# KiCad board EOutside.kicad_pcb (continued)
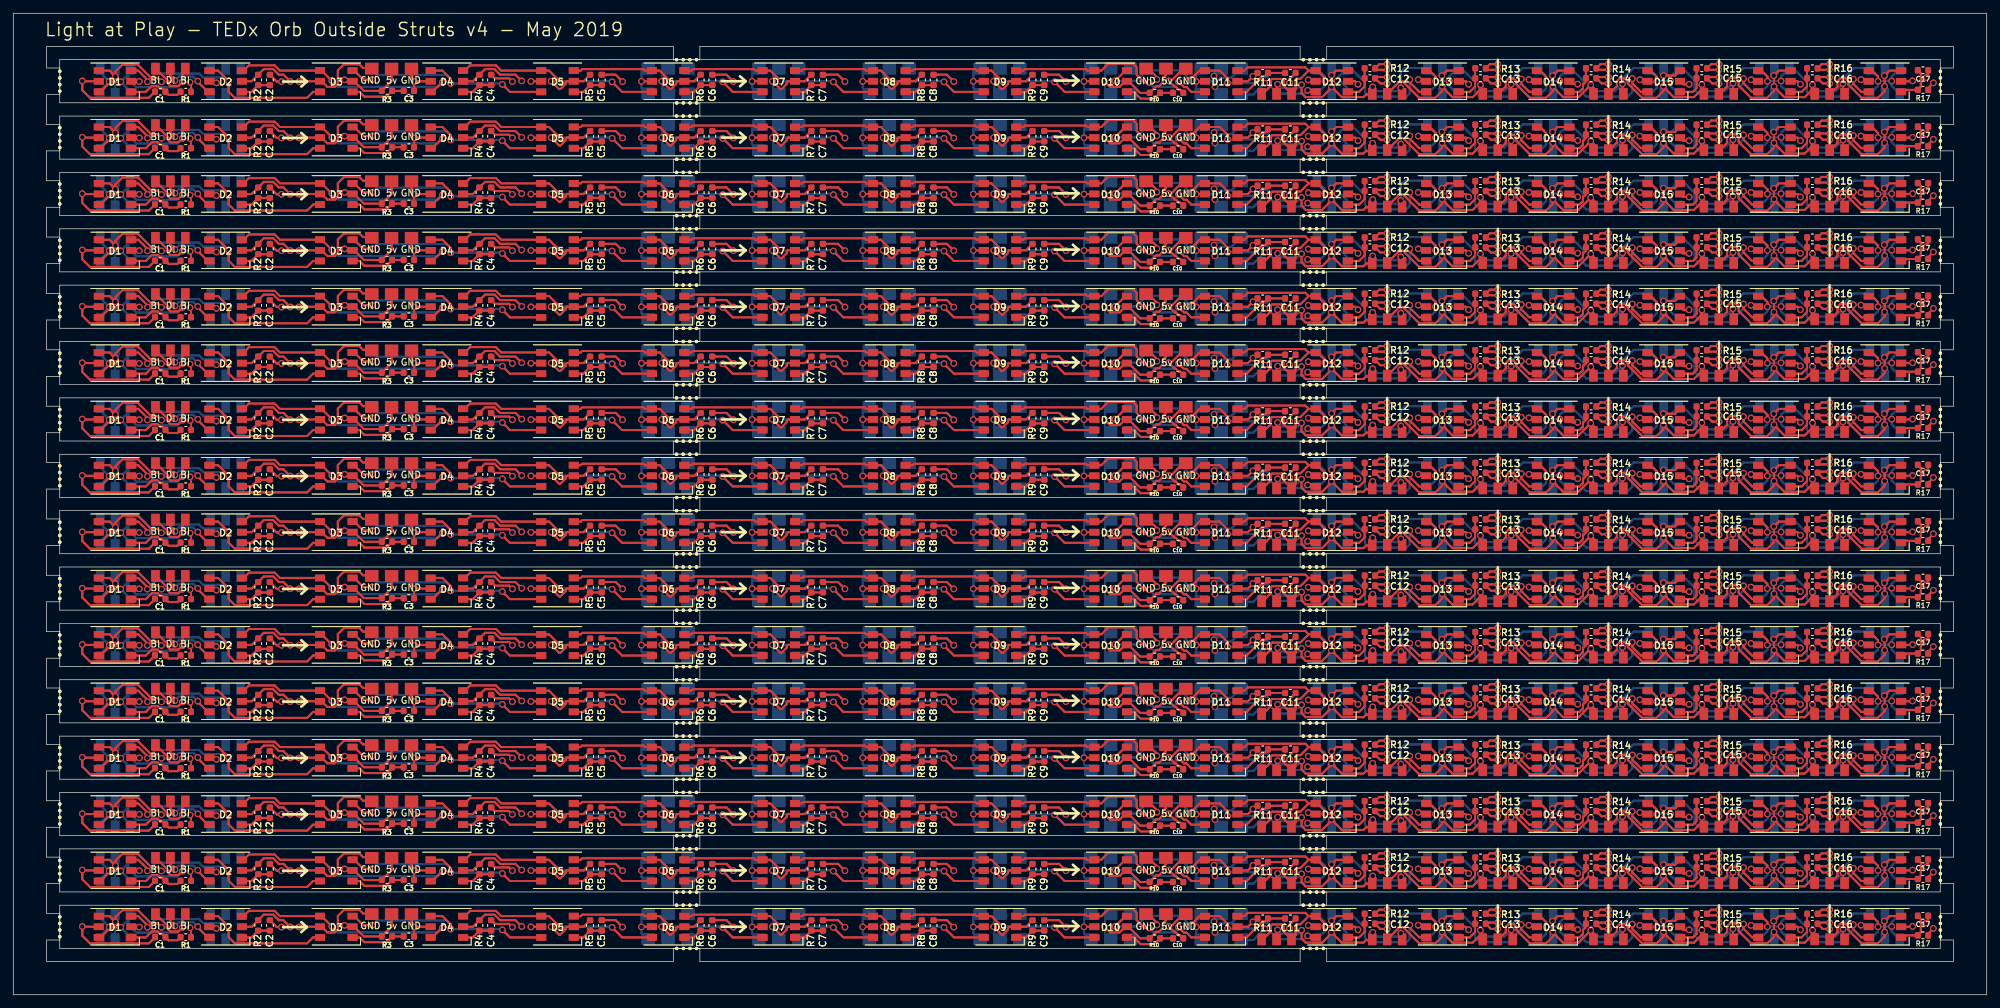
[diagram p0: board, top side]
## Routing (per net, layer and track width the routed paths; a pad name or vN(x,y) marks a point on that pad's centre or on a via; arc(x,y) is an arc through that point) (continued)
  Bottom w0.3: 27.3,129.78 v1(27.8,129.28) 27.3,129.78 ; 27.3,129.78 27.12,129.95 ; 27.3,129.78 27.12,129.95 ; 24.15,129.16 v1(22.33,129.16) 24.15,129.16 ; 24.15,129.16 v1(24.35,129.37) ; 24.15,129.16 v1(24.35,129.37) ; 24.94,129.95 27.12,129.95 ; 24.94,129.95 v1(24.35,129.37) ; 24.94,129.95 27.12,129.95 ; 24.94,129.95 v1(24.35,129.37) ; 15.33,127.38 15.33,131.5 15.33,127.38 ; 15.33,127.38 15.33,127 15.33,127.38 ; 15.39,129.19 15.35,129.15 15.39,129.19 ; 15.39,129.19 15.39,129.27 ; 15.39,129.19 15.39,129.27 ; 15.39,129.27 v1(15.39,129.98) 15.39,129.27 ; 27.3,121.28 v1(27.8,120.78) 27.3,121.28 ; 27.3,121.28 27.12,121.45 ; 27.3,121.28 27.12,121.45 ; 24.15,120.66 v1(22.33,120.66) 24.15,120.66 ; 24.15,120.66 v1(24.35,120.87) ; 24.15,120.66 v1(24.35,120.87) ; 24.94,121.45 27.12,121.45 ; 24.94,121.45 v1(24.35,120.87) ; 24.94,121.45 v1(24.35,120.87) ; 24.94,121.45 27.12,121.45 ; 15.33,118.88 15.33,123 15.33,118.88 ; 15.33,118.88 15.33,118.5 15.33,118.88 ; 15.39,120.69 15.35,120.65 15.39,120.69 ; 15.39,120.69 15.39,120.77 ; 15.39,120.69 15.39,120.77 ; 15.39,120.77 v1(15.39,121.48) 15.39,120.77 ; 27.3,112.78 v1(27.8,112.28) 27.3,112.78 ; 27.3,112.78 27.12,112.95 ; 27.3,112.78 27.12,112.95 ; 24.15,112.16 v1(22.33,112.16) 24.15,112.16 ; 24.15,112.16 v1(24.35,112.37) ; 24.15,112.16 v1(24.35,112.37) ; 24.94,112.95 27.12,112.95 ; 24.94,112.95 v1(24.35,112.37) ; 24.94,112.95 v1(24.35,112.37) ; 24.94,112.95 27.12,112.95 ; 15.33,110.38 15.33,114.5 15.33,110.38 ; 15.33,110.38 15.33,110 15.33,110.38 ; 15.39,112.19 15.35,112.15 15.39,112.19 ; 15.39,112.19 15.39,112.27 ; 15.39,112.19 15.39,112.27 ; 15.39,112.27 v1(15.39,112.98) 15.39,112.27 ; 27.3,138.28 v1(27.8,137.78) 27.3,138.28 ; 27.3,138.28 27.12,138.45 ; 27.3,138.28 27.12,138.45 ; 24.15,137.66 v1(22.33,137.66) 24.15,137.66 ; 24.15,137.66 v1(24.35,137.87) ; 24.15,137.66 v1(24.35,137.87) ; 24.94,138.45 27.12,138.45 ; 24.94,138.45 v1(24.35,137.87) ; 24.94,138.45 v1(24.35,137.87) ; 24.94,138.45 27.12,138.45 ; 15.33,135.88 15.33,140 15.33,135.88 ; 15.33,135.88 15.33,135.5 15.33,135.88 ; 15.39,137.69 15.35,137.65 15.39,137.69 ; 15.39,137.69 15.39,137.77 ; 15.39,137.69 15.39,137.77 ; 15.39,137.77 v1(15.39,138.48) 15.39,137.77 ; 27.3,104.28 v1(27.8,103.78) 27.3,104.28 ; 27.3,104.28 27.12,104.45 ; 27.3,104.28 27.12,104.45 ; 24.15,103.66 v1(22.33,103.66) 24.15,103.66 ; 24.15,103.66 v1(24.35,103.87) ; 24.15,103.66 v1(24.35,103.87) ; 24.94,104.45 27.12,104.45 ; 24.94,104.45 v1(24.35,103.87) ; 24.94,104.45 v1(24.35,103.87) ; 24.94,104.45 27.12,104.45 ; 15.33,101.88 15.33,106 15.33,101.88 ; 15.33,101.88 15.33,101.5 15.33,101.88 ; 15.39,103.69 15.35,103.65 15.39,103.69 ; 15.39,103.69 15.39,103.77 ; 15.39,103.69 15.39,103.77 ; 15.39,103.77 v1(15.39,104.48) 15.39,103.77 ; 27.3,95.78 v1(27.8,95.28) 27.3,95.78 ; 27.3,95.78 27.12,95.95 ; 27.3,95.78 27.12,95.95 ; 24.15,95.16 v1(22.33,95.16) 24.15,95.16 ; 24.15,95.16 v1(24.35,95.37) ; 24.15,95.16 v1(24.35,95.37) ; 24.94,95.95 27.12,95.95 ; 24.94,95.95 v1(24.35,95.37) ; 24.94,95.95 v1(24.35,95.37) ; 24.94,95.95 27.12,95.95 ; 15.33,93.38 15.33,97.5 15.33,93.38 ; 15.33,93.38 15.33,93 15.33,93.38 ; 15.39,95.19 15.35,95.15 15.39,95.19 ; 15.39,95.19 15.39,95.27 ; 15.39,95.19 15.39,95.27 ; 15.39,95.27 v1(15.39,95.98) 15.39,95.27 ; 24.15,78.16 v1(24.35,78.37) ; 24.15,78.16 v1(22.33,78.16) 24.15,78.16 ; 24.15,78.16 v1(24.35,78.37) ; v1(24.35,78.37) 24.94,78.95 ; v1(24.35,78.37) 24.94,78.95 ; 15.39,78.27 v1(15.39,78.98) 15.39,78.27 ; 15.39,78.27 15.39,78.19 ; 15.39,78.27 15.39,78.19 ; 15.39,78.19 15.35,78.15 15.39,78.19 ; 24.94,78.95 27.12,78.95 ; 24.94,78.95 27.12,78.95 ; 15.33,76.38 15.33,80.5 15.33,76.38 ; 15.33,76.38 15.33,76 15.33,76.38 ; 27.12,78.95 27.3,78.78 ; 27.12,78.95 27.3,78.78 ; 27.3,78.78 v1(27.8,78.28) 27.3,78.78 ; 15.39,86.77 v1(15.39,87.48) 15.39,86.77 ; 15.39,86.77 15.39,86.69 ; 15.39,86.77 15.39,86.69 ; 15.39,86.69 15.35,86.65 15.39,86.69 ; 24.15,86.66 v1(24.35,86.87) ; 24.15,86.66 v1(22.33,86.66) 24.15,86.66 ; 24.15,86.66 v1(24.35,86.87) ; v1(24.35,86.87) 24.94,87.45 ; v1(24.35,86.87) 24.94,87.45 ; 24.94,87.45 27.12,87.45 ; 24.94,87.45 27.12,87.45 ; 15.33,84.88 15.33,89 15.33,84.88 ; 15.33,84.88 15.33,84.5 15.33,84.88 ; 27.3,87.28 v1(27.8,86.78) 27.3,87.28 ; 27.3,87.28 27.12,87.45 ; 27.3,87.28 27.12,87.45 ; 27.3,70.28 v1(27.8,69.78) 27.3,70.28 ; 27.3,70.28 27.12,70.45 ; 27.3,70.28 27.12,70.45 ; 24.15,69.66 v1(22.33,69.66) 24.15,69.66 ; 24.15,69.66 v1(24.35,69.87) ; 24.15,69.66 v1(24.35,69.87) ; 24.94,70.45 27.12,70.45 ; 24.94,70.45 v1(24.35,69.87) ; 24.94,70.45 v1(24.35,69.87) ; 24.94,70.45 27.12,70.45 ; 15.33,67.88 15.33,72 15.33,67.88 ; 15.33,67.88 15.33,67.5 15.33,67.88 ; 15.39,69.69 15.35,69.65 15.39,69.69 ; 15.39,69.69 15.39,69.77 ; 15.39,69.69 15.39,69.77 ; 15.39,69.77 v1(15.39,70.48) 15.39,69.77 ; 27.3,61.78 v1(27.8,61.28) 27.3,61.78 ; 27.3,61.78 27.12,61.95 ; 27.3,61.78 27.12,61.95 ; 24.15,61.16 v1(22.33,61.16) 24.15,61.16 ; 24.15,61.16 v1(24.35,61.37) ; 24.15,61.16 v1(24.35,61.37) ; 24.94,61.95 27.12,61.95 ; 24.94,61.95 v1(24.35,61.37) ; 24.94,61.95 v1(24.35,61.37) ; 24.94,61.95 27.12,61.95 ; 15.33,59.38 15.33,63.5 15.33,59.38 ; 15.33,59.38 15.33,59 15.33,59.38 ; 15.39,61.19 15.35,61.15 15.39,61.19 ; 15.39,61.19 15.39,61.27 ; 15.39,61.19 15.39,61.27 ; 15.39,61.27 v1(15.39,61.98) 15.39,61.27 ; 27.3,44.78 v1(27.8,44.28) 27.3,44.78 ; 27.3,44.78 27.12,44.95 ; 27.3,44.78 27.12,44.95 ; 24.15,44.16 v1(22.33,44.16) 24.15,44.16 ; 24.15,44.16 v1(24.35,44.37) ; 24.15,44.16 v1(24.35,44.37) ; 24.94,44.95 27.12,44.95 ; 24.94,44.95 27.12,44.95 ; 24.94,44.95 v1(24.35,44.37) ; 24.94,44.95 v1(24.35,44.37) ; 15.33,42.38 15.33,46.5 15.33,42.38 ; 15.33,42.38 15.33,42 15.33,42.38 ; 15.39,44.19 15.35,44.15 15.39,44.19 ; 15.39,44.19 15.39,44.27 ; 15.39,44.19 15.39,44.27 ; 15.39,52.77 v1(15.39,53.48) 15.39,52.77 ; 15.39,52.77 15.39,52.69 ; 15.39,52.77 15.39,52.69 ; 15.39,52.69 15.35,52.65 15.39,52.69 ; 24.15,52.66 v1(24.35,52.87) ; 24.15,52.66 v1(22.33,52.66) 24.15,52.66 ; 24.15,52.66 v1(24.35,52.87) ; v1(24.35,52.87) 24.94,53.45 ; v1(24.35,52.87) 24.94,53.45 ; 24.94,53.45 27.12,53.45 ; 24.94,53.45 27.12,53.45 ; 15.33,50.88 15.33,55 15.33,50.88 ; 15.33,50.88 15.33,50.5 15.33,50.88 ; 27.3,53.28 v1(27.8,52.78) 27.3,53.28 ; 27.3,53.28 27.12,53.45 ; 27.3,53.28 27.12,53.45 ; 15.39,44.27 v1(15.39,44.98) 15.39,44.27 ; 24.15,27.16 v1(24.35,27.37) ; 24.15,27.16 v1(22.33,27.16) 24.15,27.16 ; 24.15,27.16 v1(24.35,27.37) ; v1(24.35,27.37) 24.94,27.95 ; v1(24.35,27.37) 24.94,27.95 ; 15.39,27.19 15.39,27.27 ; 15.39,27.19 15.35,27.15 15.39,27.19 ; 15.39,27.19 15.39,27.27 ; 15.39,27.27 v1(15.39,27.98) 15.39,27.27 ; 27.12,19.45 27.3,19.28 ; 27.12,19.45 24.94,19.45 ; 27.12,19.45 24.94,19.45 ; 27.12,19.45 27.3,19.28 ; 27.3,19.28 v1(27.8,18.78) 27.3,19.28 ; 24.15,18.66 v1(22.33,18.66) 24.15,18.66 ; 24.15,18.66 v1(24.35,18.87) ; 24.15,18.66 v1(24.35,18.87) ; 24.94,19.45 v1(24.35,18.87) ; 24.94,19.45 v1(24.35,18.87) ; 15.33,16.88 15.33,21 15.33,16.88 ; 15.33,16.88 15.33,16.5 15.33,16.88 ; 15.39,18.69 15.35,18.65 15.39,18.69 ; 15.39,18.69 15.39,18.77 ; 15.39,18.69 15.39,18.77 ; 15.39,18.77 v1(15.39,19.48) 15.39,18.77 ; 24.15,35.66 v1(22.33,35.66) 24.15,35.66 ; 24.15,35.66 v1(24.35,35.87) ; 24.15,35.66 v1(24.35,35.87) ; 24.94,36.45 27.12,36.45 ; 24.94,36.45 27.12,36.45 ; 24.94,36.45 v1(24.35,35.87) ; 24.94,36.45 v1(24.35,35.87) ; 27.12,36.45 27.3,36.28 ; 27.12,36.45 27.3,36.28 ; 27.3,36.28 v1(27.8,35.78) 27.3,36.28 ; 15.39,10.19 15.35,10.15 15.39,10.19 ; 15.39,10.19 15.39,10.27 ; 15.39,10.19 15.39,10.27 ; 15.33,8.38 15.33,8 15.33,8.38 ; 15.33,8.38 15.33,12.5 15.33,8.38 ; 27.12,10.95 27.3,10.78 ; 27.12,10.95 24.94,10.95 ; 27.12,10.95 27.3,10.78 ; 27.12,10.95 24.94,10.95 ; 27.3,10.78 v1(27.8,10.28) 27.3,10.78 ; 15.39,10.27 v1(15.39,10.98) 15.39,10.27 ; 24.15,10.16 v1(24.35,10.37) ; 24.15,10.16 v1(24.35,10.37) ; 24.15,10.16 v1(22.33,10.16) 24.15,10.16 ; v1(24.35,10.37) 24.94,10.95 ; v1(24.35,10.37) 24.94,10.95 ; 15.33,33.88 15.33,38 15.33,33.88 ; 15.33,33.88 15.33,33.5 15.33,33.88 ; 15.39,35.69 15.35,35.65 15.39,35.69 ; 15.39,35.69 15.39,35.77 ; 15.39,35.69 15.39,35.77 ; 15.39,35.77 v1(15.39,36.48) 15.39,35.77 ; 27.3,27.78 v1(27.8,27.28) 27.3,27.78 ; 27.3,27.78 27.12,27.95 ; 27.3,27.78 27.12,27.95 ; 24.94,27.95 27.12,27.95 ; 24.94,27.95 27.12,27.95 ; 15.33,25.38 15.33,29.5 15.33,25.38 ; 15.33,25.38 15.33,25 15.33,25.38 ; 15.33,131.25 15.33,130.2 15.33,131.25 ; 15.33,122.75 15.33,121.7 15.33,122.75 ; 15.33,114.25 15.33,113.2 15.33,114.25 ; 15.33,139.75 15.33,138.7 15.33,139.75 ; 15.33,105.75 15.33,104.7 15.33,105.75 ; 15.33,97.25 15.33,96.2 15.33,97.25 ; 15.33,80.25 15.33,79.2 15.33,80.25 ; 15.33,88.75 15.33,87.7 15.33,88.75 ; 15.33,71.75 15.33,70.7 15.33,71.75 ; 15.33,63.25 15.33,62.2 15.33,63.25 ; 15.33,46.25 15.33,45.2 15.33,46.25 ; 15.33,54.75 15.33,53.7 15.33,54.75 ; 15.33,20.75 15.33,19.7 15.33,20.75 ; 15.33,12.25 15.33,11.2 15.33,12.25 ; 15.33,37.75 15.33,36.7 15.33,37.75 ; 15.33,29.25 15.33,28.2 15.33,29.25
Net-(D1-Pad6): length 1059.5
  Top w0.3: 14.45,128.97 v1(14.45,129.2) ; 14.45,128.97 13.13,127.65 ; 14.45,128.97 v1(14.45,129.2) ; 14.45,128.97 13.13,127.65 ; v1(14.45,129.2) 14.48,129.17 ; v1(14.45,129.2) 14.48,129.17 ; 14.48,129.17 v1(16.2,129.17) 14.48,129.17 ; 13.13,127.65 D1#2.6 13.13,127.65 ; 21.67,130.96 23.39,129.24 ; 21.67,130.96 21.67,131.25 21.67,130.96 ; 21.67,130.96 23.39,129.24 ; 23.39,129.24 23.39,128.84 ; 23.39,129.24 23.39,128.84 ; 25.48,131.07 25.67,131.25 25.48,131.07 ; 25.48,131.07 25.48,129.86 ; 25.48,131.07 25.48,129.86 ; 25.48,129.86 v1(25.48,129.15) ; 25.48,129.86 v1(25.48,129.15) ; 23.39,128.84 23.68,128.55 ; 23.39,128.84 23.68,128.55 ; 23.68,128.55 24.88,128.55 ; 23.68,128.55 24.88,128.55 ; v1(25.48,129.15) 24.98,128.65 ; v1(25.48,129.15) 24.98,128.65 ; 24.88,128.55 24.98,128.65 ; 24.88,128.55 24.98,128.65 ; 14.45,120.47 v1(14.45,120.7) ; 14.45,120.47 13.13,119.15 ; 14.45,120.47 v1(14.45,120.7) ; 14.45,120.47 13.13,119.15 ; v1(14.45,120.7) 14.48,120.67 ; v1(14.45,120.7) 14.48,120.67 ; 14.48,120.67 v1(16.2,120.67) 14.48,120.67 ; 13.13,119.15 D1#4.6 13.13,119.15 ; 21.67,122.46 23.39,120.74 ; 21.67,122.46 21.67,122.75 21.67,122.46 ; 21.67,122.46 23.39,120.74 ; 23.39,120.74 23.39,120.34 ; 23.39,120.74 23.39,120.34 ; 25.48,122.57 25.67,122.75 25.48,122.57 ; 25.48,122.57 25.48,121.36 ; 25.48,122.57 25.48,121.36 ; 25.48,121.36 v1(25.48,120.65) ; 25.48,121.36 v1(25.48,120.65) ; 23.39,120.34 23.68,120.05 ; 23.39,120.34 23.68,120.05 ; 23.68,120.05 24.88,120.05 ; 23.68,120.05 24.88,120.05 ; v1(25.48,120.65) 24.98,120.15 ; v1(25.48,120.65) 24.98,120.15 ; 24.88,120.05 24.98,120.15 ; 24.88,120.05 24.98,120.15 ; 14.45,111.97 v1(14.45,112.2) ; 14.45,111.97 13.13,110.65 ; 14.45,111.97 v1(14.45,112.2) ; 14.45,111.97 13.13,110.65 ; v1(14.45,112.2) 14.48,112.17 ; v1(14.45,112.2) 14.48,112.17 ; 23.39,112.24 23.39,111.84 ; 23.39,112.24 21.67,113.96 ; 23.39,112.24 23.39,111.84 ; 23.39,112.24 21.67,113.96 ; 23.39,111.84 23.68,111.55 ; 23.39,111.84 23.68,111.55 ; 24.88,111.55 24.98,111.65 ; 24.88,111.55 23.68,111.55 ; 24.88,111.55 24.98,111.65 ; 24.88,111.55 23.68,111.55 ; 24.98,111.65 v1(25.48,112.15) ; 24.98,111.65 v1(25.48,112.15) ; v1(25.48,112.15) 25.48,112.86 ; v1(25.48,112.15) 25.48,112.86 ; 25.48,112.86 25.48,114.07 ; 25.48,112.86 25.48,114.07 ; 25.48,114.07 25.67,114.25 25.48,114.07 ; 21.67,113.96 21.67,114.25 21.67,113.96 ; 13.13,110.65 D1#3.6 13.13,110.65 ; 14.48,112.17 v1(16.2,112.17) 14.48,112.17 ; 14.45,137.47 v1(14.45,137.7) ; 14.45,137.47 13.13,136.15 ; 14.45,137.47 v1(14.45,137.7) ; 14.45,137.47 13.13,136.15 ; v1(14.45,137.7) 14.48,137.67 ; v1(14.45,137.7) 14.48,137.67 ; 14.48,137.67 v1(16.2,137.67) 14.48,137.67 ; 13.13,136.15 D1.6 13.13,136.15 ; 21.67,139.46 23.39,137.74 ; 21.67,139.46 21.67,139.75 21.67,139.46 ; 21.67,139.46 23.39,137.74 ; 23.39,137.74 23.39,137.34 ; 23.39,137.74 23.39,137.34 ; 25.48,139.57 25.67,139.75 25.48,139.57 ; 25.48,139.57 25.48,138.36 ; 25.48,139.57 25.48,138.36 ; 25.48,138.36 v1(25.48,137.65) ; 25.48,138.36 v1(25.48,137.65) ; 23.39,137.34 23.68,137.05 ; 23.39,137.34 23.68,137.05 ; 23.68,137.05 24.88,137.05 ; 23.68,137.05 24.88,137.05 ; v1(25.48,137.65) 24.98,137.15 ; v1(25.48,137.65) 24.98,137.15 ; 24.88,137.05 24.98,137.15 ; 24.88,137.05 24.98,137.15 ; 14.45,103.47 v1(14.45,103.7) ; 14.45,103.47 13.13,102.15 ; 14.45,103.47 v1(14.45,103.7) ; 14.45,103.47 13.13,102.15 ; v1(14.45,103.7) 14.48,103.67 ; v1(14.45,103.7) 14.48,103.67 ; 14.48,103.67 v1(16.2,103.67) 14.48,103.67 ; 13.13,102.15 D1#14.6 13.13,102.15 ; 21.67,105.46 23.39,103.74 ; 21.67,105.46 21.67,105.75 21.67,105.46 ; 21.67,105.46 23.39,103.74 ; 23.39,103.74 23.39,103.34 ; 23.39,103.74 23.39,103.34 ; 25.48,105.57 25.67,105.75 25.48,105.57 ; 25.48,105.57 25.48,104.36 ; 25.48,105.57 25.48,104.36 ; 25.48,104.36 v1(25.48,103.65) ; 25.48,104.36 v1(25.48,103.65) ; 23.39,103.34 23.68,103.05 ; 23.39,103.34 23.68,103.05 ; 23.68,103.05 24.88,103.05 ; 23.68,103.05 24.88,103.05 ; v1(25.48,103.65) 24.98,103.15 ; v1(25.48,103.65) 24.98,103.15 ; 24.88,103.05 24.98,103.15 ; 24.88,103.05 24.98,103.15 ; 14.45,94.97 v1(14.45,95.2) ; 14.45,94.97 13.13,93.65 ; 14.45,94.97 13.13,93.65 ; 14.45,94.97 v1(14.45,95.2) ; v1(14.45,95.2) 14.48,95.17 ; v1(14.45,95.2) 14.48,95.17 ; 23.39,95.24 23.39,94.84 ; 23.39,95.24 21.67,96.96 ; 23.39,95.24 23.39,94.84 ; 23.39,95.24 21.67,96.96 ; 23.39,94.84 23.68,94.55 ; 23.39,94.84 23.68,94.55 ; 24.88,94.55 24.98,94.65 ; 24.88,94.55 23.68,94.55 ; 24.88,94.55 24.98,94.65 ; 24.88,94.55 23.68,94.55 ; 24.98,94.65 v1(25.48,95.15) ; 24.98,94.65 v1(25.48,95.15) ; v1(25.48,95.15) 25.48,95.86 ; v1(25.48,95.15) 25.48,95.86 ; 25.48,95.86 25.48,97.07 ; 25.48,95.86 25.48,97.07 ; 25.48,97.07 25.67,97.25 25.48,97.07 ; 21.67,96.96 21.67,97.25 21.67,96.96 ; 13.13,93.65 D1#11.6 13.13,93.65 ; 14.48,95.17 v1(16.2,95.17) 14.48,95.17 ; 14.45,77.97 v1(14.45,78.2) ; 14.45,77.97 13.13,76.65 ; 14.45,77.97 v1(14.45,78.2) ; 14.45,77.97 13.13,76.65 ; v1(14.45,78.2) 14.48,78.17 ; v1(14.45,78.2) 14.48,78.17 ; 23.39,78.24 23.39,77.84 ; 23.39,78.24 21.67,79.96 ; 23.39,78.24 23.39,77.84 ; 23.39,78.24 21.67,79.96 ; 23.39,77.84 23.68,77.55 ; 23.39,77.84 23.68,77.55 ; 24.88,77.55 24.98,77.65 ; 24.88,77.55 23.68,77.55 ; 24.88,77.55 24.98,77.65 ; 24.88,77.55 23.68,77.55 ; 24.98,77.65 v1(25.48,78.15) ; 24.98,77.65 v1(25.48,78.15) ; v1(25.48,78.15) 25.48,78.86 ; v1(25.48,78.15) 25.48,78.86 ; 25.48,78.86 25.48,80.07 ; 25.48,78.86 25.48,80.07 ; 25.48,80.07 25.67,80.25 25.48,80.07 ; 21.67,79.96 21.67,80.25 21.67,79.96 ; 13.13,76.65 D1#9.6 13.13,76.65 ; 14.48,78.17 v1(16.2,78.17) 14.48,78.17 ; 14.45,86.47 v1(14.45,86.7) ; 14.45,86.47 13.13,85.15 ; 14.45,86.47 v1(14.45,86.7) ; 14.45,86.47 13.13,85.15 ; v1(14.45,86.7) 14.48,86.67 ; v1(14.45,86.7) 14.48,86.67 ; 14.48,86.67 v1(16.2,86.67) 14.48,86.67 ; 13.13,85.15 D1#10.6 13.13,85.15 ; 21.67,88.46 23.39,86.74 ; 21.67,88.46 21.67,88.75 21.67,88.46 ; 21.67,88.46 23.39,86.74 ; 23.39,86.74 23.39,86.34 ; 23.39,86.74 23.39,86.34 ; 25.48,88.57 25.67,88.75 25.48,88.57 ; 25.48,88.57 25.48,87.36 ; 25.48,88.57 25.48,87.36 ; 25.48,87.36 v1(25.48,86.65) ; 25.48,87.36 v1(25.48,86.65) ; 23.39,86.34 23.68,86.05 ; 23.39,86.34 23.68,86.05 ; 23.68,86.05 24.88,86.05 ; 23.68,86.05 24.88,86.05 ; v1(25.48,86.65) 24.98,86.15 ; v1(25.48,86.65) 24.98,86.15 ; 24.88,86.05 24.98,86.15 ; 24.88,86.05 24.98,86.15 ; 23.39,52.74 23.39,52.34 ; 23.39,52.74 21.67,54.46 ; 23.39,52.74 21.67,54.46 ; 23.39,52.74 23.39,52.34 ; 23.39,52.34 23.68,52.05 ; 23.39,52.34 23.68,52.05 ; 24.88,52.05 24.98,52.15 ; 24.88,52.05 23.68,52.05 ; 24.88,52.05 23.68,52.05 ; 24.88,52.05 24.98,52.15 ; 24.98,52.15 v1(25.48,52.65) ; 24.98,52.15 v1(25.48,52.65) ; v1(25.48,52.65) 25.48,53.36 ; v1(25.48,52.65) 25.48,53.36 ; 25.48,53.36 25.48,54.57 ; 25.48,53.36 25.48,54.57 ; 14.45,60.97 v1(14.45,61.2) ; 14.45,60.97 13.13,59.65 ; 14.45,60.97 13.13,59.65 ; 14.45,60.97 v1(14.45,61.2) ; v1(14.45,61.2) 14.48,61.17 ; v1(14.45,61.2) 14.48,61.17 ; 23.39,61.24 23.39,60.84 ; 23.39,61.24 21.67,62.96 ; 23.39,61.24 23.39,60.84 ; 23.39,61.24 21.67,62.96 ; 23.39,60.84 23.68,60.55 ; 23.39,60.84 23.68,60.55 ; 24.88,60.55 24.98,60.65 ; 24.88,60.55 23.68,60.55 ; 24.88,60.55 24.98,60.65 ; 24.88,60.55 23.68,60.55 ; 24.98,60.65 v1(25.48,61.15) ; 24.98,60.65 v1(25.48,61.15) ; v1(25.48,61.15) 25.48,61.86 ; v1(25.48,61.15) 25.48,61.86 ; 25.48,61.86 25.48,63.07 ; 25.48,61.86 25.48,63.07 ; 25.48,63.07 25.67,63.25 25.48,63.07 ; 21.67,62.96 21.67,63.25 21.67,62.96 ; 13.13,59.65 D1#17.6 13.13,59.65 ; 14.48,61.17 v1(16.2,61.17) 14.48,61.17 ; 23.68,69.05 24.88,69.05 ; 23.68,69.05 23.39,69.34 ; 23.68,69.05 23.39,69.34 ; 23.68,69.05 24.88,69.05 ; 24.88,69.05 24.98,69.15 ; 24.88,69.05 24.98,69.15 ; 14.48,69.67 v1(14.45,69.7) ; 14.48,69.67 v1(16.2,69.67) 14.48,69.67 ; 14.48,69.67 v1(14.45,69.7) ; v1(14.45,69.7) 14.45,69.47 ; v1(14.45,69.7) 14.45,69.47 ; 24.98,69.15 v1(25.48,69.65) ; 24.98,69.15 v1(25.48,69.65) ; 14.45,69.47 13.13,68.15 ; 14.45,69.47 13.13,68.15 ; 13.13,68.15 D1#20.6 13.13,68.15 ; 23.39,69.34 23.39,69.74 ; 23.39,69.34 23.39,69.74 ; 25.48,70.36 v1(25.48,69.65) ; 25.48,70.36 25.48,71.57 ; 25.48,70.36 25.48,71.57 ; 25.48,70.36 v1(25.48,69.65) ; 21.67,71.46 23.39,69.74 ; 21.67,71.46 21.67,71.75 21.67,71.46 ; 21.67,71.46 23.39,69.74 ; 25.48,71.57 25.67,71.75 25.48,71.57 ; 14.45,43.97 v1(14.45,44.2) ; 14.45,43.97 13.13,42.65 ; 14.45,43.97 v1(14.45,44.2) ; 14.45,43.97 13.13,42.65 ; v1(14.45,44.2) 14.48,44.17 ; v1(14.45,44.2) 14.48,44.17 ; 23.39,44.24 23.39,43.84 ; 23.39,44.24 21.67,45.96 ; 23.39,44.24 23.39,43.84 ; 23.39,44.24 21.67,45.96 ; 23.39,43.84 23.68,43.55 ; 23.39,43.84 23.68,43.55 ; 24.88,43.55 24.98,43.65 ; 24.88,43.55 23.68,43.55 ; 24.88,43.55 24.98,43.65 ; 24.88,43.55 23.68,43.55 ; 24.98,43.65 v1(25.48,44.15) ; 24.98,43.65 v1(25.48,44.15) ; v1(25.48,44.15) 25.48,44.86 ; v1(25.48,44.15) 25.48,44.86 ; 25.48,44.86 25.48,46.07 ; 25.48,44.86 25.48,46.07 ; 25.48,46.07 25.67,46.25 25.48,46.07 ; 21.67,45.96 21.67,46.25 21.67,45.96 ; 13.13,42.65 D1#18.6 13.13,42.65 ; 14.48,44.17 v1(16.2,44.17) 14.48,44.17 ; 14.45,52.47 v1(14.45,52.7) ; 14.45,52.47 13.13,51.15 ; 14.45,52.47 v1(14.45,52.7) ; 14.45,52.47 13.13,51.15 ; v1(14.45,52.7) 14.48,52.67 ; v1(14.45,52.7) 14.48,52.67 ; 14.48,52.67 v1(16.2,52.67) 14.48,52.67 ; 13.13,51.15 D1#22.6 13.13,51.15 ; 21.67,54.46 21.67,54.75 21.67,54.46 ; 25.48,54.57 25.67,54.75 25.48,54.57 ; 14.45,18.47 v1(14.45,18.7) ; 14.45,18.47 13.13,17.15 ; 14.45,18.47 v1(14.45,18.7) ; 14.45,18.47 13.13,17.15 ; v1(14.45,18.7) 14.48,18.67 ; v1(14.45,18.7) 14.48,18.67 ; 14.48,18.67 v1(16.2,18.67) 14.48,18.67 ; 13.13,17.15 D1#28.6 13.13,17.15 ; 21.67,20.46 23.39,18.74 ; 21.67,20.46 21.67,20.75 21.67,20.46 ; 21.67,20.46 23.39,18.74 ; 23.39,18.74 23.39,18.34 ; 23.39,18.74 23.39,18.34 ; 25.48,20.57 25.67,20.75 25.48,20.57 ; 25.48,20.57 25.48,19.36 ; 25.48,20.57 25.48,19.36 ; 25.48,19.36 v1(25.48,18.65) ; 25.48,19.36 v1(25.48,18.65) ; 23.39,10.24 23.39,9.84 ; 23.39,10.24 21.67,11.96 ; 23.39,10.24 23.39,9.84 ; 23.39,10.24 21.67,11.96 ; 23.39,9.84 23.68,9.55 ; 23.39,9.84 23.68,9.55 ; 24.88,9.55 24.98,9.65 ; 24.88,9.55 23.68,9.55 ; 24.88,9.55 24.98,9.65 ; 24.88,9.55 23.68,9.55 ; 24.98,9.65 v1(25.48,10.15) ; 24.98,9.65 v1(25.48,10.15) ; v1(25.48,10.15) 25.48,10.86 ; v1(25.48,10.15) 25.48,10.86 ; 25.48,10.86 25.48,12.07 ; 25.48,10.86 25.48,12.07 ; 25.48,12.07 25.67,12.25 25.48,12.07 ; 21.67,11.96 21.67,12.25 21.67,11.96 ; 13.13,8.65 14.45,9.97 ; 13.13,8.65 D1#26.6 13.13,8.65 ; 13.13,8.65 14.45,9.97 ; 14.45,9.97 v1(14.45,10.2) ; 14.45,9.97 v1(14.45,10.2) ; 14.48,10.17 v1(14.45,10.2) ; 14.48,10.17 v1(16.2,10.17) 14.48,10.17 ; 14.48,10.17 v1(14.45,10.2) ; 14.45,35.47 v1(14.45,35.7) ; 14.45,35.47 13.13,34.15 ; 14.45,35.47 v1(14.45,35.7) ; 14.45,35.47 13.13,34.15 ; v1(14.45,35.7) 14.48,35.67 ; v1(14.45,35.7) 14.48,35.67 ; 14.48,35.67 v1(16.2,35.67) 14.48,35.67 ; 13.13,34.15 D1#25.6 13.13,34.15 ; 21.67,37.46 23.39,35.74 ; 21.67,37.46 21.67,37.75 21.67,37.46 ; 21.67,37.46 23.39,35.74 ; 23.39,35.74 23.39,35.34 ; 23.39,35.74 23.39,35.34 ; 25.48,37.57 25.67,37.75 25.48,37.57 ; 25.48,37.57 25.48,36.36 ; 25.48,37.57 25.48,36.36 ; 25.48,36.36 v1(25.48,35.65) ; 25.48,36.36 v1(25.48,35.65) ; 23.39,35.34 23.68,35.05 ; 23.39,35.34 23.68,35.05 ; 23.68,35.05 24.88,35.05 ; 23.68,35.05 24.88,35.05 ; v1(25.48,35.65) 24.98,35.15 ; v1(25.48,35.65) 24.98,35.15 ; 24.88,35.05 24.98,35.15 ; 24.88,35.05 24.98,35.15 ; 24.98,18.15 v1(25.48,18.65) ; 24.98,18.15 24.88,18.05 ; 24.98,18.15 v1(25.48,18.65) ; 24.98,18.15 24.88,18.05 ; 24.88,18.05 23.68,18.05 ; 24.88,18.05 23.68,18.05 ; 23.39,18.34 23.68,18.05 ; 23.39,18.34 23.68,18.05 ; 14.45,26.97 v1(14.45,27.2) ; 14.45,26.97 13.13,25.65 ; 14.45,26.97 13.13,25.65 ; 14.45,26.97 v1(14.45,27.2) ; v1(14.45,27.2) 14.48,27.17 ; v1(14.45,27.2) 14.48,27.17 ; 23.39,27.24 23.39,26.84 ; 23.39,27.24 21.67,28.96 ; 23.39,27.24 23.39,26.84 ; 23.39,27.24 21.67,28.96 ; 23.39,26.84 23.68,26.55 ; 23.39,26.84 23.68,26.55 ; 24.88,26.55 24.98,26.65 ; 24.88,26.55 23.68,26.55 ; 24.88,26.55 24.98,26.65 ; 24.88,26.55 23.68,26.55 ; 24.98,26.65 v1(25.48,27.15) ; 24.98,26.65 v1(25.48,27.15) ; v1(25.48,27.15) 25.48,27.86 ; v1(25.48,27.15) 25.48,27.86 ; 25.48,27.86 25.48,29.07 ; 25.48,27.86 25.48,29.07 ; 25.48,29.07 25.67,29.25 25.48,29.07 ; 21.67,28.96 21.67,29.25 21.67,28.96 ; 13.13,25.65 D1#27.6 13.13,25.65 ; 14.48,27.17 v1(16.2,27.17) 14.48,27.17
  Bottom w0.3: 16.7,128.67 v1(16.2,129.17) ; 16.7,128.67 17.33,128.04 ; 16.7,128.67 v1(16.2,129.17) ; 16.7,128.67 17.33,128.04 ; v1(16.2,129.17) 16.7,129.67 ; v1(16.2,129.17) 16.7,129.67 ; 17.33,128.04 17.33,127.25 17.33,128.04 ; 13.95,129.7 v1(14.45,129.2) ; 13.95,129.7 13.08,130.57 ; 13.95,129.7 v1(14.45,129.2) ; 13.95,129.7 13.08,130.57 ; v1(14.45,129.2) 13.95,128.7 ; v1(14.45,129.2) 13.95,128.7 ; 17.58,130.55 17.58,131.5 17.58,130.55 ; 17.58,130.55 16.7,129.67 ; 17.58,130.55 16.7,129.67 ; 13.33,128.08 13.95,128.7 ; 13.33,128.08 13.33,127.25 13.33,128.08 ; 13.33,128.08 13.95,128.7 ; 13.08,130.57 13.08,131.5 13.08,130.57 ; 24.69,128.36 24.98,128.65 ; 24.69,128.36 18.54,128.36 ; 24.69,128.36 18.54,128.36 ; 24.69,128.36 24.98,128.65 ; 24.98,128.65 v1(25.48,129.15) 24.98,128.65 ; 17.33,129.57 17.33,131.25 17.33,129.57 ; 17.33,129.57 18.54,128.36 ; 17.33,129.57 18.54,128.36 ; 16.7,120.17 v1(16.2,120.67) ; 16.7,120.17 17.33,119.54 ; 16.7,120.17 v1(16.2,120.67) ; 16.7,120.17 17.33,119.54 ; v1(16.2,120.67) 16.7,121.17 ; v1(16.2,120.67) 16.7,121.17 ; 17.33,119.54 17.33,118.75 17.33,119.54 ; 13.95,121.2 v1(14.45,120.7) ; 13.95,121.2 13.08,122.07 ; 13.95,121.2 v1(14.45,120.7) ; 13.95,121.2 13.08,122.07 ; v1(14.45,120.7) 13.95,120.2 ; v1(14.45,120.7) 13.95,120.2 ; 17.58,122.05 17.58,123 17.58,122.05 ; 17.58,122.05 16.7,121.17 ; 17.58,122.05 16.7,121.17 ; 13.33,119.58 13.95,120.2 ; 13.33,119.58 13.33,118.75 13.33,119.58 ; 13.33,119.58 13.95,120.2 ; 13.08,122.07 13.08,123 13.08,122.07 ; 24.69,119.86 24.98,120.15 ; 24.69,119.86 18.54,119.86 ; 24.69,119.86 24.98,120.15 ; 24.69,119.86 18.54,119.86 ; 24.98,120.15 v1(25.48,120.65) 24.98,120.15 ; 17.33,121.07 17.33,122.75 17.33,121.07 ; 17.33,121.07 18.54,119.86 ; 17.33,121.07 18.54,119.86 ; 13.08,113.57 13.08,114.5 13.08,113.57 ; 13.08,113.57 13.95,112.7 ; 13.08,113.57 13.95,112.7 ; 16.7,111.67 v1(16.2,112.17) ; 16.7,111.67 17.33,111.04 ; 16.7,111.67 v1(16.2,112.17) ; 16.7,111.67 17.33,111.04 ; v1(16.2,112.17) 16.7,112.67 ; v1(16.2,112.17) 16.7,112.67 ; 17.33,111.04 17.33,110.25 17.33,111.04 ; 13.95,112.7 v1(14.45,112.2) ; 13.95,112.7 v1(14.45,112.2) ; v1(14.45,112.2) 13.95,111.7 ; v1(14.45,112.2) 13.95,111.7 ; 17.33,112.57 18.54,111.36 ; 17.33,112.57 17.33,114.25 17.33,112.57 ; 17.33,112.57 18.54,111.36 ; 18.54,111.36 24.69,111.36 ; 18.54,111.36 24.69,111.36 ; 24.69,111.36 24.98,111.65 ; 24.69,111.36 24.98,111.65 ; 24.98,111.65 v1(25.48,112.15) 24.98,111.65 ; 16.7,112.67 17.58,113.55 ; 16.7,112.67 17.58,113.55 ; 13.95,111.7 13.33,111.08 ; 13.95,111.7 13.33,111.08 ; 17.58,113.55 17.58,114.5 17.58,113.55 ; 13.33,111.08 13.33,110.25 13.33,111.08 ; 16.7,137.17 v1(16.2,137.67) ; 16.7,137.17 17.33,136.54 ; 16.7,137.17 v1(16.2,137.67) ; 16.7,137.17 17.33,136.54 ; v1(16.2,137.67) 16.7,138.17 ; v1(16.2,137.67) 16.7,138.17 ; 17.33,136.54 17.33,135.75 17.33,136.54 ; 13.95,138.2 v1(14.45,137.7) ; 13.95,138.2 13.08,139.07 ; 13.95,138.2 v1(14.45,137.7) ; 13.95,138.2 13.08,139.07 ; v1(14.45,137.7) 13.95,137.2 ; v1(14.45,137.7) 13.95,137.2 ; 17.58,139.05 17.58,140 17.58,139.05 ; 17.58,139.05 16.7,138.17 ; 17.58,139.05 16.7,138.17 ; 13.33,136.58 13.95,137.2 ; 13.33,136.58 13.33,135.75 13.33,136.58 ; 13.33,136.58 13.95,137.2 ; 13.08,139.07 13.08,140 13.08,139.07 ; 24.69,136.86 24.98,137.15 ; 24.69,136.86 18.54,136.86 ; 24.69,136.86 18.54,136.86 ; 24.69,136.86 24.98,137.15 ; 24.98,137.15 v1(25.48,137.65) 24.98,137.15 ; 17.33,138.07 17.33,139.75 17.33,138.07 ; 17.33,138.07 18.54,136.86 ; 17.33,138.07 18.54,136.86 ; 16.7,103.17 v1(16.2,103.67) ; 16.7,103.17 17.33,102.54 ; 16.7,103.17 v1(16.2,103.67) ; 16.7,103.17 17.33,102.54 ; v1(16.2,103.67) 16.7,104.17 ; v1(16.2,103.67) 16.7,104.17 ; 17.33,102.54 17.33,101.75 17.33,102.54 ; 13.95,104.2 v1(14.45,103.7) ; 13.95,104.2 13.08,105.07 ; 13.95,104.2 v1(14.45,103.7) ; 13.95,104.2 13.08,105.07 ; v1(14.45,103.7) 13.95,103.2 ; v1(14.45,103.7) 13.95,103.2 ; 17.58,105.05 17.58,106 17.58,105.05 ; 17.58,105.05 16.7,104.17 ; 17.58,105.05 16.7,104.17 ; 13.33,102.58 13.95,103.2 ; 13.33,102.58 13.33,101.75 13.33,102.58 ; 13.33,102.58 13.95,103.2 ; 13.08,105.07 13.08,106 13.08,105.07 ; 24.69,102.86 24.98,103.15 ; 24.69,102.86 18.54,102.86 ; 24.69,102.86 24.98,103.15 ; 24.69,102.86 18.54,102.86 ; 24.98,103.15 v1(25.48,103.65) 24.98,103.15 ; 17.33,104.07 17.33,105.75 17.33,104.07 ; 17.33,104.07 18.54,102.86 ; 17.33,104.07 18.54,102.86 ; 13.08,96.57 13.08,97.5 13.08,96.57 ; 13.08,96.57 13.95,95.7 ; 13.08,96.57 13.95,95.7 ; 16.7,94.67 v1(16.2,95.17) ; 16.7,94.67 17.33,94.04 ; 16.7,94.67 17.33,94.04 ; 16.7,94.67 v1(16.2,95.17) ; v1(16.2,95.17) 16.7,95.67 ; v1(16.2,95.17) 16.7,95.67 ; 17.33,94.04 17.33,93.25 17.33,94.04 ; 13.95,95.7 v1(14.45,95.2) ; 13.95,95.7 v1(14.45,95.2) ; v1(14.45,95.2) 13.95,94.7 ; v1(14.45,95.2) 13.95,94.7 ; 17.33,95.57 18.54,94.36 ; 17.33,95.57 17.33,97.25 17.33,95.57 ; 17.33,95.57 18.54,94.36 ; 18.54,94.36 24.69,94.36 ; 18.54,94.36 24.69,94.36 ; 24.69,94.36 24.98,94.65 ; 24.69,94.36 24.98,94.65 ; 24.98,94.65 v1(25.48,95.15) 24.98,94.65 ; 16.7,95.67 17.58,96.55 ; 16.7,95.67 17.58,96.55 ; 13.95,94.7 13.33,94.08 ; 13.95,94.7 13.33,94.08 ; 17.58,96.55 17.58,97.5 17.58,96.55 ; 13.33,94.08 13.33,93.25 13.33,94.08 ; 13.08,79.57 13.08,80.5 13.08,79.57 ; 13.08,79.57 13.95,78.7 ; 13.08,79.57 13.95,78.7 ; 16.7,77.67 v1(16.2,78.17) ; 16.7,77.67 17.33,77.04 ; 16.7,77.67 v1(16.2,78.17) ; 16.7,77.67 17.33,77.04 ; v1(16.2,78.17) 16.7,78.67 ; v1(16.2,78.17) 16.7,78.67 ; 17.33,77.04 17.33,76.25 17.33,77.04 ; 13.95,78.7 v1(14.45,78.2) ; 13.95,78.7 v1(14.45,78.2) ; v1(14.45,78.2) 13.95,77.7 ; v1(14.45,78.2) 13.95,77.7 ; 17.33,78.57 18.54,77.36 ; 17.33,78.57 17.33,80.25 17.33,78.57 ; 17.33,78.57 18.54,77.36 ; 18.54,77.36 24.69,77.36 ; 18.54,77.36 24.69,77.36 ; 24.69,77.36 24.98,77.65 ; 24.69,77.36 24.98,77.65 ; 24.98,77.65 v1(25.48,78.15) 24.98,77.65 ; 16.7,78.67 17.58,79.55 ; 16.7,78.67 17.58,79.55 ; 13.95,77.7 13.33,77.08 ; 13.95,77.7 13.33,77.08 ; 17.58,79.55 17.58,80.5 17.58,79.55 ; 13.33,77.08 13.33,76.25 13.33,77.08 ; 16.7,86.17 v1(16.2,86.67) ; 16.7,86.17 17.33,85.54 ; 16.7,86.17 v1(16.2,86.67) ; 16.7,86.17 17.33,85.54 ; v1(16.2,86.67) 16.7,87.17 ; v1(16.2,86.67) 16.7,87.17 ; 17.33,85.54 17.33,84.75 17.33,85.54 ; 13.95,87.2 v1(14.45,86.7) ; 13.95,87.2 13.08,88.07 ; 13.95,87.2 v1(14.45,86.7) ; 13.95,87.2 13.08,88.07 ; v1(14.45,86.7) 13.95,86.2 ; v1(14.45,86.7) 13.95,86.2 ; 17.58,88.05 17.58,89 17.58,88.05 ; 17.58,88.05 16.7,87.17 ; 17.58,88.05 16.7,87.17 ; 13.33,85.58 13.95,86.2 ; 13.33,85.58 13.33,84.75 13.33,85.58 ; 13.33,85.58 13.95,86.2 ; 13.08,88.07 13.08,89 13.08,88.07 ; 24.69,85.86 24.98,86.15 ; 24.69,85.86 18.54,85.86 ; 24.69,85.86 24.98,86.15 ; 24.69,85.86 18.54,85.86 ; 24.98,86.15 v1(25.48,86.65) 24.98,86.15 ; 17.33,87.07 17.33,88.75 17.33,87.07 ; 17.33,87.07 18.54,85.86 ; 17.33,87.07 18.54,85.86 ; 17.33,53.07 18.54,51.86 ; 17.33,53.07 17.33,54.75 17.33,53.07 ; 17.33,53.07 18.54,51.86 ; 18.54,51.86 24.69,51.86 ; 18.54,51.86 24.69,51.86 ; 24.69,51.86 24.98,52.15 ; 24.69,51.86 24.98,52.15 ; 13.08,62.57 13.08,63.5 13.08,62.57 ; 13.08,62.57 13.95,61.7 ; 13.08,62.57 13.95,61.7 ; 16.7,60.67 v1(16.2,61.17) ; 16.7,60.67 17.33,60.04 ; 16.7,60.67 17.33,60.04 ; 16.7,60.67 v1(16.2,61.17) ; v1(16.2,61.17) 16.7,61.67 ; v1(16.2,61.17) 16.7,61.67 ; 17.33,60.04 17.33,59.25 17.33,60.04 ; 13.95,61.7 v1(14.45,61.2) ; 13.95,61.7 v1(14.45,61.2) ; v1(14.45,61.2) 13.95,60.7 ; v1(14.45,61.2) 13.95,60.7 ; 17.33,61.57 18.54,60.36 ; 17.33,61.57 17.33,63.25 17.33,61.57 ; 17.33,61.57 18.54,60.36 ; 18.54,60.36 24.69,60.36 ; 18.54,60.36 24.69,60.36 ; 24.69,60.36 24.98,60.65 ; 24.69,60.36 24.98,60.65 ; 24.98,60.65 v1(25.48,61.15) 24.98,60.65 ; 16.7,61.67 17.58,62.55 ; 16.7,61.67 17.58,62.55 ; 13.95,60.7 13.33,60.08 ; 13.95,60.7 13.33,60.08 ; 17.58,62.55 17.58,63.5 17.58,62.55 ; 13.33,60.08 13.33,59.25 13.33,60.08 ; 13.08,71.07 13.95,70.2 ; 13.08,71.07 13.08,72 13.08,71.07 ; 13.08,71.07 13.95,70.2 ; 13.95,70.2 v1(14.45,69.7) ; 13.95,70.2 v1(14.45,69.7) ; 13.33,68.58 13.33,67.75 13.33,68.58 ; 13.33,68.58 13.95,69.2 ; 13.33,68.58 13.95,69.2 ; 17.58,71.05 16.7,70.17 ; 17.58,71.05 17.58,72 17.58,71.05 ; 17.58,71.05 16.7,70.17 ; 16.7,70.17 v1(16.2,69.67) ; 16.7,70.17 v1(16.2,69.67) ; 13.95,69.2 v1(14.45,69.7) ; 13.95,69.2 v1(14.45,69.7) ; 17.33,68.54 16.7,69.17 ; 17.33,68.54 17.33,67.75 17.33,68.54 ; 17.33,68.54 16.7,69.17 ; 16.7,69.17 v1(16.2,69.67) ; 16.7,69.17 v1(16.2,69.67) ; 17.33,70.07 17.33,71.75 17.33,70.07 ; 17.33,70.07 18.54,68.86 ; 17.33,70.07 18.54,68.86 ; 24.98,69.15 v1(25.48,69.65) 24.98,69.15 ; 24.98,69.15 24.69,68.86 ; 24.98,69.15 24.69,68.86 ; 18.54,68.86 24.69,68.86 ; 18.54,68.86 24.69,68.86 ; 13.08,45.57 13.08,46.5 13.08,45.57 ; 13.08,45.57 13.95,44.7 ; 13.08,45.57 13.95,44.7 ; 16.7,43.67 v1(16.2,44.17) ; 16.7,43.67 17.33,43.04 ; 16.7,43.67 v1(16.2,44.17) ; 16.7,43.67 17.33,43.04 ; v1(16.2,44.17) 16.7,44.67 ; v1(16.2,44.17) 16.7,44.67 ; 17.33,43.04 17.33,42.25 17.33,43.04 ; 13.95,44.7 v1(14.45,44.2) ; 13.95,44.7 v1(14.45,44.2) ; v1(14.45,44.2) 13.95,43.7 ; v1(14.45,44.2) 13.95,43.7 ; 17.33,44.57 18.54,43.36 ; 17.33,44.57 17.33,46.25 17.33,44.57 ; 17.33,44.57 18.54,43.36 ; 18.54,43.36 24.69,43.36 ; 18.54,43.36 24.69,43.36 ; 24.69,43.36 24.98,43.65 ; 24.69,43.36 24.98,43.65 ; 24.98,43.65 v1(25.48,44.15) 24.98,43.65 ; 16.7,44.67 17.58,45.55 ; 16.7,44.67 17.58,45.55 ; 13.95,43.7 13.33,43.08 ; 13.95,43.7 13.33,43.08 ; 17.58,45.55 17.58,46.5 17.58,45.55 ; 13.33,43.08 13.33,42.25 13.33,43.08 ; 16.7,52.17 v1(16.2,52.67) ; 16.7,52.17 17.33,51.54 ; 16.7,52.17 v1(16.2,52.67) ; 16.7,52.17 17.33,51.54 ; v1(16.2,52.67) 16.7,53.17 ; v1(16.2,52.67) 16.7,53.17 ; 17.33,51.54 17.33,50.75 17.33,51.54 ; 13.95,53.2 v1(14.45,52.7) ; 13.95,53.2 13.08,54.07 ; 13.95,53.2 v1(14.45,52.7) ; 13.95,53.2 13.08,54.07 ; v1(14.45,52.7) 13.95,52.2 ; v1(14.45,52.7) 13.95,52.2 ; 17.58,54.05 17.58,55 17.58,54.05 ; 17.58,54.05 16.7,53.17 ; 17.58,54.05 16.7,53.17 ; 13.33,51.58 13.95,52.2 ; 13.33,51.58 13.33,50.75 13.33,51.58 ; 13.33,51.58 13.95,52.2 ; 13.08,54.07 13.08,55 13.08,54.07 ; 24.98,52.15 v1(25.48,52.65) 24.98,52.15 ; 16.7,18.17 v1(16.2,18.67) ; 16.7,18.17 17.33,17.54 ; 16.7,18.17 v1(16.2,18.67) ; 16.7,18.17 17.33,17.54 ; v1(16.2,18.67) 16.7,19.17 ; v1(16.2,18.67) 16.7,19.17 ; 13.95,19.2 v1(14.45,18.7) ; 13.95,19.2 13.08,20.07 ; 13.95,19.2 v1(14.45,18.7) ; 13.95,19.2 13.08,20.07 ; v1(14.45,18.7) 13.95,18.2 ; v1(14.45,18.7) 13.95,18.2 ; 17.33,17.54 17.33,16.75 17.33,17.54 ; 17.58,20.05 17.58,21 17.58,20.05 ; 17.58,20.05 16.7,19.17 ; 17.58,20.05 16.7,19.17 ; 13.33,17.58 13.95,18.2 ; 13.33,17.58 13.33,16.75 13.33,17.58 ; 13.33,17.58 13.95,18.2 ; 13.08,20.07 13.08,21 13.08,20.07 ; 24.69,17.86 24.98,18.15 ; 24.69,17.86 18.54,17.86 ; 24.69,17.86 24.98,18.15 ; 24.69,17.86 18.54,17.86 ; 24.98,18.15 v1(25.48,18.65) 24.98,18.15 ; 17.33,10.57 18.54,9.36 ; 17.33,10.57 17.33,12.25 17.33,10.57 ; 17.33,10.57 18.54,9.36 ; 18.54,9.36 24.69,9.36 ; 18.54,9.36 24.69,9.36 ; 24.69,9.36 24.98,9.65 ; 24.69,9.36 24.98,9.65 ; 24.98,9.65 v1(25.48,10.15) 24.98,9.65 ; 13.08,11.57 13.95,10.7 ; 13.08,11.57 13.08,12.5 13.08,11.57 ; 13.08,11.57 13.95,10.7 ; 13.95,10.7 v1(14.45,10.2) ; 13.95,10.7 v1(14.45,10.2) ; 16.7,10.67 v1(16.2,10.17) ; 16.7,10.67 17.58,11.55 ; 16.7,10.67 v1(16.2,10.17) ; 16.7,10.67 17.58,11.55 ; v1(16.2,10.17) 16.7,9.67 ; v1(16.2,10.17) 16.7,9.67 ; 13.95,9.7 v1(14.45,10.2) ; 13.95,9.7 13.33,9.08 ; 13.95,9.7 v1(14.45,10.2) ; 13.95,9.7 13.33,9.08 ; 17.58,11.55 17.58,12.5 17.58,11.55 ; 13.33,9.08 13.33,8.25 13.33,9.08 ; 17.33,9.04 16.7,9.67 ; 17.33,9.04 17.33,8.25 17.33,9.04 ; 17.33,9.04 16.7,9.67 ; 16.7,35.17 v1(16.2,35.67) ; 16.7,35.17 17.33,34.54 ; 16.7,35.17 17.33,34.54 ; 16.7,35.17 v1(16.2,35.67) ; v1(16.2,35.67) 16.7,36.17 ; v1(16.2,35.67) 16.7,36.17 ; 17.33,34.54 17.33,33.75 17.33,34.54 ; 13.95,36.2 v1(14.45,35.7) ; 13.95,36.2 13.08,37.07 ; 13.95,36.2 13.08,37.07 ; 13.95,36.2 v1(14.45,35.7) ; v1(14.45,35.7) 13.95,35.2 ; v1(14.45,35.7) 13.95,35.2 ; 17.58,37.05 17.58,38 17.58,37.05 ; 17.58,37.05 16.7,36.17 ; 17.58,37.05 16.7,36.17 ; 13.33,34.58 13.95,35.2 ; 13.33,34.58 13.33,33.75 13.33,34.58 ; 13.33,34.58 13.95,35.2 ; 13.08,37.07 13.08,38 13.08,37.07 ; 24.69,34.86 24.98,35.15 ; 24.69,34.86 18.54,34.86 ; 24.69,34.86 24.98,35.15 ; 24.69,34.86 18.54,34.86 ; 24.98,35.15 v1(25.48,35.65) 24.98,35.15 ; 17.33,36.07 17.33,37.75 17.33,36.07 ; 17.33,36.07 18.54,34.86 ; 17.33,36.07 18.54,34.86 ; 17.33,19.07 18.54,17.86 ; 17.33,19.07 17.33,20.75 17.33,19.07 ; 17.33,19.07 18.54,17.86 ; 13.08,28.57 13.08,29.5 13.08,28.57 ; 13.08,28.57 13.95,27.7 ; 13.08,28.57 13.95,27.7 ; 16.7,26.67 v1(16.2,27.17) ; 16.7,26.67 17.33,26.04 ; 16.7,26.67 17.33,26.04 ; 16.7,26.67 v1(16.2,27.17) ; v1(16.2,27.17) 16.7,27.67 ; v1(16.2,27.17) 16.7,27.67 ; 17.33,27.57 18.54,26.36 ; 17.33,27.57 17.33,29.25 17.33,27.57 ; 17.33,27.57 18.54,26.36 ; 18.54,26.36 24.69,26.36 ; 18.54,26.36 24.69,26.36 ; 24.69,26.36 24.98,26.65 ; 24.69,26.36 24.98,26.65 ; 24.98,26.65 v1(25.48,27.15) 24.98,26.65 ; 13.95,27.7 v1(14.45,27.2) ; 13.95,27.7 v1(14.45,27.2) ; 16.7,27.67 17.58,28.55 ; 16.7,27.67 17.58,28.55 ; 13.95,26.7 v1(14.45,27.2) ; 13.95,26.7 13.33,26.08 ; 13.95,26.7 v1(14.45,27.2) ; 13.95,26.7 13.33,26.08 ; 17.58,28.55 17.58,29.5 17.58,28.55 ; 13.33,26.08 13.33,25.25 13.33,26.08 ; 17.33,26.04 17.33,25.25 17.33,26.04
